# Allegro board PCIe3_0_X16_V1_0-166-20240802_20240828_pcb.brd (continued)
## Routing (per net, layer and track width the routed paths; a pad name or vN(x,y) marks a point on that pad's centre or on a via; arc(x,y) is an arc through that point) (continued)
FPGA_DDR4_2_A5: length 132
  TOP w0.229: U9.P8 v1(146.89,91.67) ; U12.P8 v1(146.89,53.96) ; U10.P8 v1(146.89,79.1) ; U11.P8 v1(146.89,41.38) ; U13.P8 v1(146.89,66.53) ; U1.AK21 v1(119.32,65.23)
  ART05 w0.137: v1(146.89,41.38) 146.49,41.78 146.49,42.49
  ART05 w0.155: v1(119.32,65.23) 118.86,64.77 118.86,45.75 119.9,44.7 120.66,44.7 120.81,44.55 120.81,44.09 121.22,43.69 122.82,43.69 122.98,43.84 122.98,43.99 123.13,44.15 123.44,44.15 123.59,43.99 123.59,43.84 123.75,43.69 124.69,43.69 124.85,43.84 124.85,43.94 125,44.09 125.31,44.09 125.47,43.94 125.47,43.84 125.62,43.69 126.07,43.69 126.3,43.92 126.3,44.5 126.45,44.65 127.47,44.65 127.96,44.16 128.9,44.16 129.22,44.48 132.13,44.48 132.28,44.32 132.28,44.25 132.44,44.09 132.75,44.09 132.9,44.25 132.9,44.32 133.06,44.48 134.02,44.48 134.64,43.86 134.86,43.86 135.34,44.34 135.56,44.34 135.78,44.12 135.78,43.9 135.3,43.42 135.3,43.2 135.77,42.72 136.27,42.72 136.42,42.88 136.42,44.45 136.58,44.6 136.89,44.6 137.04,44.45 137.04,42.88 137.2,42.72 137.51,42.72 137.66,42.88 137.66,43.86 137.82,44.02 138.13,44.02 138.28,43.86 138.28,42.88 138.44,42.72 146.26,42.72 146.49,42.49
  ART10 w0.086: v1(146.89,91.67) 146.89,91.52 147.31,91.11 147.31,90.35 149.67,87.99 149.67,82.8 148.57,81.71 148.09,80.56 148.09,79.71 147.86,79.47 147.48,79.47 147.11,79.1 v1(146.89,79.1) 146.89,78.95 147.31,78.54 147.31,77.77 149.72,75.36 149.72,70.13 148.78,69.19 148.09,67.54 148.09,67.13 147.86,66.9 147.48,66.9 147.11,66.53 v1(146.89,66.53) 146.89,66.38 147.31,65.96 147.31,65.2 149.72,62.79 149.72,57.56 148.78,56.61 148.09,54.97 148.09,54.56 147.86,54.33 147.48,54.33 147.11,53.96 v1(146.89,53.96) 146.89,53.8 147.31,53.39 147.31,52.63 149.72,50.22 149.72,44.98 148.78,44.04 148.09,42.39 148.09,41.99 147.86,41.76 147.48,41.76 147.11,41.38 v1(146.89,41.38)
  BOTTOM w0.127: 148.2,92.99 148.2,92.84 148.16,92.79 148.09,92.63 148.09,92.31 147.86,92.08 147.3,92.08 v1(146.89,91.67)
  BOTTOM w0.201: 148.2,92.99 148.2,93.93 R125.1
FPGA_DDR4_2_A6: length 130.4
  TOP w0.152: v1(146.89,86.07) 148.19,86.07 148.5,85.95 149.08,85.37 149.08,85.09
  TOP w0.201: 149.08,85.09 149.08,84.73 149.68,84.12 150.97,84.12 R126.1
  TOP w0.229: U13.P2 v1(146.89,60.93) ; U12.P2 v1(146.89,48.36) ; v1(146.89,86.07) U9.P2 ; U1.AM19 v1(121.32,62.23) ; U10.P2 v1(146.89,73.5) ; U11.P2 v1(146.89,35.78)
  ART03 w0.137: v1(146.89,35.78) 146.63,35.78 146.49,35.92 146.49,36.95
  ART03 w0.155: v1(121.32,62.23) 121.32,62.2 120.89,61.77 118.22,61.77 117.84,61.39 117.84,61.01 117.59,60.76 117.08,60.76 116.83,60.5 116.83,45.69 116.98,45.53 117.18,45.53 117.33,45.38 117.33,45.07 117.18,44.91 116.98,44.91 116.83,44.76 116.83,44.35 117.61,43.56 117.61,40.21 120.13,37.69 131.46,37.69 132.8,39.04 137.59,39.04 137.74,38.88 137.74,38.69 137.9,38.53 138.21,38.53 138.36,38.69 138.36,38.94 138.52,39.1 141.43,39.1 141.68,38.84 144.83,38.84 146.49,37.18 146.49,36.95
  ART12 w0.086: v1(146.89,86.07) 147.13,86.07 147.56,85.65 147.89,85.65 148.09,85.44 148.09,85.04 148.47,84.12 148.57,84.08 148.71,83.74 148.67,83.64 149.46,81.73 149.46,77.93 146.52,74.98 146.52,74.04 146.89,73.66 v1(146.89,73.5) 147.13,73.5 147.56,73.08 147.89,73.08 148.09,72.87 148.09,72.46 148.47,71.55 148.57,71.51 148.71,71.17 148.67,71.07 149.46,69.15 149.46,65.35 146.52,62.41 146.52,61.54 146.89,61.17 v1(146.89,60.93) 147.13,60.93 147.56,60.5 147.89,60.5 148.09,60.3 148.09,59.89 148.47,58.98 148.57,58.94 148.71,58.6 148.67,58.5 149.46,56.58 149.46,52.81 146.52,49.86 146.52,48.89 146.89,48.52 v1(146.89,48.36) 147.13,48.36 147.56,47.93 147.89,47.93 148.09,47.73 148.09,47.32 148.47,46.4 148.57,46.36 148.71,46.02 148.67,45.93 149.46,44.01 149.46,40.06 149.3,39.66 148.17,38.53 147.78,38.37 146.81,37.41 146.52,36.7 146.52,36.16 v1(146.89,35.78)
FPGA_DDR4_2_A7: length 130.5
  TOP w0.229: U11.R8 v1(147.69,41.38) ; U10.R8 v1(147.69,79.1) ; U13.R8 v1(147.69,66.53) ; U12.R8 v1(147.69,53.96) ; U9.R8 v1(147.69,91.67) ; U1.AL21 v1(120.32,65.23)
  ART05 w0.137: 147.29,42.52 147.29,41.78 v1(147.69,41.38)
  ART05 w0.155: 147.29,42.52 147.29,42.52 146.65,43.16 141.56,43.16 141.41,43.32 141.41,45.11 141.25,45.26 140.94,45.26 140.79,45.11 140.79,43.32 140.63,43.16 140.32,43.16 140.17,43.32 140.17,45.11 140.01,45.26 139.7,45.26 139.55,45.11 139.55,43.32 139.39,43.16 139.08,43.16 138.93,43.32 138.93,44.98 138.77,45.14 138.46,45.14 138.3,44.98 138.3,44.63 138.15,44.48 137.84,44.48 137.68,44.63 137.68,44.98 137.53,45.14 128.95,45.14 128.55,44.73 128,44.73 127.54,45.19 126.36,45.19 125.91,44.73 121.5,44.73 120.51,45.72 119.97,45.72 119.75,45.95 119.75,64.65 v1(120.32,65.23)
  ART10 w0.086: v1(147.69,91.67) 147.69,90.47 150.02,88.14 150.02,82.63 149.17,81.77 148.96,81.26 148.96,80.88 148.87,80.79 148.81,80.79 148.73,80.71 148.73,80.53 148.81,80.45 148.87,80.45 148.96,80.36 148.96,79.68 148.78,79.5 148.37,79.5 147.97,79.1 v1(147.69,79.1) 147.69,77.89 150.1,75.49 150.1,69.52 149.59,69.01 149.34,69.01 148.96,68.63 148.96,67.11 148.78,66.93 148.37,66.93 147.97,66.53 v1(147.69,66.53) 147.69,65.32 150.1,62.92 150.1,56.95 149.59,56.44 149.34,56.44 148.96,56.06 148.96,54.53 148.78,54.36 148.37,54.36 147.97,53.96 v1(147.69,53.96) 147.69,52.75 150.1,50.34 150.1,44.37 149.59,43.87 149.34,43.87 148.96,43.48 148.96,41.96 148.78,41.78 148.37,41.78 147.97,41.38 v1(147.69,41.38)
  BOTTOM w0.127: 148.82,92.12 148.78,92.07 148.33,92.07 147.93,91.67 v1(147.69,91.67)
  BOTTOM w0.201: 148.82,92.12 148.98,92.28 148.98,93.56 R127.1
FPGA_DDR4_2_A8: length 132.5
  TOP w0.229: v1(147.69,86.87) 147.29,86.48 U9.R2 ; v1(147.69,36.58) 147.29,36.18 U11.R2 ; U1.AF20 v1(115.32,63.23) ; U12.R2 v1(147.69,49.16) ; U13.R2 147.29,61.33 v1(147.69,61.73) ; U10.R2 v1(147.69,74.3)
  ART05 w0.137: v1(147.69,36.58) 147.29,36.98 142.68,36.98
  ART05 w0.155: v1(115.32,63.23) 115.32,62.93 114.79,62.41 114.79,62.03 114.5,61.73 114.11,61.73 113.78,61.39 113.78,45.97 114.01,45.75 114.56,45.75 115.02,45.29 115.02,44.78 115.38,43.91 118.91,40.39 121.8,40.39 124.65,37.54 125.15,37.54 125.31,37.7 125.31,38.12 125.46,38.28 125.77,38.28 125.93,38.12 125.93,37.7 126.08,37.54 127.43,37.54 127.59,37.39 127.59,36.89 127.74,36.73 128.05,36.73 128.21,36.89 128.21,37.39 128.36,37.54 128.67,37.54 128.83,37.39 128.83,36.89 128.98,36.73 129.29,36.73 129.45,36.89 129.45,37.39 129.6,37.54 129.91,37.54 130.07,37.39 130.07,36.89 130.22,36.73 130.53,36.73 130.69,36.89 130.69,37.39 130.84,37.54 131.15,37.54 131.31,37.39 131.31,36.89 131.46,36.73 131.8,36.73 131.95,36.89 131.95,37.36 132.11,37.52 132.42,37.52 132.57,37.36 132.57,36.89 132.73,36.73 133.04,36.73 133.19,36.89 133.19,37.36 133.35,37.52 133.66,37.52 133.81,37.36 133.81,36.89 133.97,36.73 134.4,36.73 134.66,37 142.66,37 142.68,36.98
  ART12 w0.086: v1(147.69,86.87) 147.69,86.78 148.07,86.41 148.45,86.41 148.68,86.18 149.23,86.18 149.56,85.84 150.23,82.49 150.23,77.19 148.73,75.69 148.55,75.69 148.07,75.21 148.07,74.73 147.69,74.35 v1(147.69,74.3) 147.69,74.21 148.07,73.84 148.45,73.84 148.68,73.6 149.23,73.6 149.77,73.06 150.23,71.96 150.23,64.82 148.12,62.71 148.12,62.33 147.69,61.91 v1(147.69,61.73) 147.69,61.64 148.07,61.26 148.45,61.26 148.68,61.03 149.23,61.03 149.77,60.49 150.23,59.39 150.23,52.25 148.12,50.14 148.12,49.76 147.69,49.33 v1(147.69,49.16) 147.69,49.07 148.07,48.69 148.45,48.69 148.68,48.46 149.23,48.46 149.77,47.91 150.23,46.81 150.23,39.29 147.69,36.76 v1(147.69,36.58)
  BOTTOM w0.201: v1(147.69,86.87) 148.37,87.55 150.97,87.55 R129.1
FPGA_DDR4_2_A9: length 131.1
  TOP w0.127: U11.R7 147.69,40.58 v1(148.49,40.58) ; v1(148.49,65.73) 147.69,65.73 U13.R7 ; v1(148.49,90.87) 147.69,90.87 U9.R7 ; v1(148.49,53.16) 147.69,53.16 U12.R7 ; U10.R7 147.69,78.3 v1(148.49,78.3)
  TOP w0.201: v1(148.49,90.87) 148.7,90.87 149.45,91.63 149.45,92.9 R130.1
  TOP w0.229: U1.AM22 v1(121.32,66.23)
  ART05 w0.137: 148.09,42.35 148.09,42.32 148.09,42.32 148.09,40.98 v1(148.49,40.58)
  ART05 w0.155: 148.09,42.35 148.09,43.08 146.7,44.48 145.83,44.48 145.68,44.32 145.68,44.05 145.52,43.89 145.21,43.89 145.06,44.05 145.06,44.52 144.9,44.68 144.59,44.68 144.44,44.52 144.44,43.84 144.28,43.69 143.43,43.69 143.28,43.84 143.28,45.08 143.1,45.26 142.81,45.26 142.66,45.11 142.66,43.84 142.5,43.69 142.13,43.69 141.97,43.84 141.97,45.36 141.67,45.67 126.24,45.67 125.78,45.21 124.99,45.21 124.54,45.67 121.17,45.67 120.89,45.95 120.89,65.8 v1(121.32,66.23)
  ART10 w0.086: v1(148.49,90.87) 151.17,88.2 151.17,81.73 150.63,80.44 150.28,80.09 150.16,80.09 150.05,80.2 149.93,80.2 149.81,80.07 149.81,79.95 149.91,79.84 149.91,79.72 v1(148.49,78.3) 150.73,76.06 150.73,68.06 150.67,67.91 150.28,67.51 150.16,67.51 149.96,67.71 149.84,67.71 149.72,67.59 149.72,67.47 149.91,67.27 149.91,67.15 v1(148.49,65.73) 150.73,63.49 150.73,55.48 150.67,55.33 150.28,54.94 150.16,54.94 149.96,55.14 149.84,55.14 149.72,55.02 149.72,54.89 149.91,54.7 149.91,54.58 v1(148.49,53.16) 150.73,50.92 150.73,42.91 150.67,42.76 150.28,42.37 150.16,42.37 149.96,42.56 149.84,42.56 149.72,42.44 149.72,42.32 149.91,42.12 149.91,42 v1(148.49,40.58)
FPGA_DDR4_2_A10: length 136.5
  TOP w0.201: R131.1 149.17,89.18 146.8,89.18 U9.M3
  TOP w0.229: U12.M3 v1(145.29,49.16) ; U1.AF21 v1(115.32,65.23) ; U13.M3 v1(145.29,61.73) ; U11.M3 v1(145.29,36.58) ; U10.M3 v1(145.29,74.3) ; U9.M3 v1(145.29,86.87)
  ART05 w0.137: v1(145.29,36.58) 144.89,36.18 135.19,36.18
  ART05 w0.155: 135.19,36.18 127.14,36.18 127,36.32 127,36.9 126.87,37.03 126.59,37.03 126.45,36.9 126.45,36.32 126.32,36.18 126.04,36.18 125.91,36.32 125.91,36.9 125.77,37.03 125.49,37.03 125.36,36.9 125.36,36.46 125.22,36.32 124.9,36.32 124.55,36.68 124.33,36.68 123.95,36.3 123.73,36.3 123.51,36.52 123.51,36.74 123.89,37.11 123.89,37.33 123.67,37.55 123.45,37.55 123.07,37.18 122.86,37.18 122.64,37.39 122.64,37.61 123.01,37.99 123.01,38.21 122.79,38.43 122.58,38.43 122.2,38.05 121.98,38.05 121.76,38.27 121.76,38.49 122.14,38.87 122.14,39.09 121.38,39.84 118.77,39.84 115.1,43.51 114.67,44.55 114.54,44.68 114.08,44.68 112.89,45.87 112.89,61.52 113.14,61.77 113.52,61.77 113.78,62.03 113.78,62.41 114.16,62.79 114.54,62.79 114.79,63.04 114.79,63.55 115.32,64.08 v1(115.32,65.23)
  ART12 w0.086: v1(145.29,86.87) 145.29,86.64 145.59,86.35 145.69,86.1 145.69,84.59 145.95,84.34 146.07,84.34 146.11,84.38 146.24,84.38 146.36,84.26 146.36,84.14 146.31,84.09 146.31,83.97 148.07,82.22 148.07,78.13 145.29,75.36 v1(145.29,74.3) 145.29,74.07 145.59,73.77 145.69,73.53 145.69,72.02 145.95,71.77 146.07,71.77 146.11,71.81 146.24,71.81 146.36,71.69 146.36,71.56 146.31,71.52 146.31,71.4 148.07,69.65 148.07,65.56 145.29,62.78 v1(145.29,61.73) 145.29,61.5 145.59,61.2 145.69,60.96 145.69,59.45 145.95,59.19 146.07,59.19 146.11,59.24 146.24,59.24 146.36,59.11 146.36,58.99 146.31,58.95 146.31,58.83 148.07,57.07 148.07,52.98 145.29,50.21 v1(145.29,49.16) 145.29,48.93 145.59,48.63 145.69,48.38 145.69,46.87 145.95,46.62 146.07,46.62 146.11,46.66 146.24,46.66 146.36,46.54 146.36,46.42 146.31,46.38 146.31,46.25 148.07,44.5 148.07,40.74 145.29,37.97 v1(145.29,36.58)
FPGA_DDR4_2_A11: length 134.9
  TOP w0.137: v1(149.29,86.87) 148.89,86.47 U9.T2
  TOP w0.201: R132.1 150.89,85.34 150.28,85.34 149.58,86.04 149.58,86.59 v1(149.29,86.87)
  TOP w0.229: U11.T2 148.28,35.99 148.7,35.99 v1(149.29,36.58) ; v1(149.29,74.3) 148.7,73.71 148.28,73.71 U10.T2 ; v1(149.29,49.16) 148.7,48.56 148.28,48.56 U12.T2 ; U1.AG18 v1(116.32,61.23) ; U13.T2 148.28,61.14 148.7,61.14 v1(149.29,61.73)
  ART05 w0.155: v1(116.32,61.23) 116.32,61.01 116.88,60.46 116.88,45.64 117.16,45.36 117.16,44.45 119.64,41.96 123.71,41.96 124,41.67 124,41.45 123.62,41.07 123.62,40.85 123.84,40.63 124.06,40.63 124.44,41.01 124.66,41.01 124.88,40.79 124.88,40.57 124.5,40.2 124.5,39.98 124.72,39.76 125.64,39.76 125.79,39.91 125.79,40.54 125.95,40.69 126.26,40.69 126.41,40.54 126.41,39.91 126.57,39.76 134.41,39.76 134.56,39.6 134.56,39.19 134.71,39.04 135.02,39.04 135.18,39.19 135.18,39.65 135.33,39.8 135.64,39.8 135.8,39.65 135.8,39.19 135.95,39.04 143.5,39.04 143.77,39.32 144.01,39.32 144.17,39.47 144.17,39.95 144.32,40.11 144.63,40.11 144.79,39.95 144.79,39.47 144.94,39.32 145.25,39.32 145.41,39.47 145.41,39.95 145.56,40.11 145.87,40.11 146.03,39.95 146.03,39.47 146.18,39.32 146.49,39.32 146.65,39.47 146.65,39.95 146.8,40.11 147.11,40.11 147.27,39.95 147.27,39.47 147.42,39.32 148.85,39.32 149.29,38.88 v1(149.29,36.58)
  ART12 w0.086: v1(149.29,36.58) 149.57,36.86 149.57,36.98 149.26,37.29 149.26,37.41 149.38,37.53 149.5,37.53 149.81,37.22 149.94,37.22 150.86,38.15 150.86,47.96 149.82,49 149.45,49 v1(149.29,49.16) 149.57,49.43 149.57,49.55 149.26,49.86 149.26,49.99 149.38,50.11 149.5,50.11 149.81,49.8 149.94,49.8 150.86,50.72 150.86,60.53 149.82,61.57 149.45,61.57 v1(149.29,61.73) 149.57,62 149.57,62.13 149.26,62.44 149.26,62.56 149.38,62.68 149.5,62.68 149.81,62.37 149.94,62.37 150.86,63.3 150.86,73.1 149.82,74.14 149.45,74.14 v1(149.29,74.3) 149.57,74.58 149.57,74.7 149.5,74.77 149.5,74.89 149.62,75.01 149.74,75.01 149.81,74.94 149.94,74.94 150.86,75.87 150.86,82.8 151.14,83.08 151.14,86.16 150.79,86.51 149.92,86.51 149.56,86.87 v1(149.29,86.87)
FPGA_DDR4_2_A12: length 134.1
  TOP w0.229: U1.AL18 v1(120.32,61.23) ; U9.M7 v1(145.29,90.87) ; U12.M7 v1(145.29,53.16) ; U13.M7 v1(145.29,65.73) ; U10.M7 v1(145.29,78.3) ; U11.M7 v1(145.29,40.58)
  ART03 w0.155: v1(145.29,40.58) 144.39,39.67 142.48,39.67 142.1,40.06 130.41,40.06 130.26,39.9 130.26,39.45 130.1,39.29 129.79,39.29 129.64,39.45 129.64,39.9 129.48,40.06 129.17,40.06 129.02,39.9 129.02,39.45 128.86,39.29 128.55,39.29 128.4,39.45 128.4,39.9 128.24,40.06 127.93,40.06 127.78,39.9 127.78,39.45 127.62,39.29 127.31,39.29 127.16,39.45 127.16,39.9 127,40.06 126.69,40.06 126.54,39.9 126.54,39.45 126.38,39.29 126.07,39.29 125.92,39.45 125.92,39.9 125.76,40.06 125.45,40.06 125.3,39.9 125.3,39.45 125.15,39.29 124.84,39.29 124.68,39.45 124.68,39.9 124.53,40.06 124.22,40.06 124.06,39.9 124.06,39.45 123.91,39.29 123.6,39.29 123.44,39.45 123.44,39.9 123.29,40.06 122.98,40.06 122.82,39.9 122.82,39.45 122.67,39.29 122.36,39.29 122.2,39.45 122.2,39.9 122.05,40.06 121.74,40.06 121.58,39.9 121.58,39.45 121.43,39.29 121.12,39.29 120.96,39.45 120.96,39.9 120.68,40.18 120.47,40.18 120,39.71 119.78,39.71 119.56,39.93 119.56,40.15 120.03,40.62 120.03,40.84 119.81,41.05 119.59,41.05 119.23,40.69 119.01,40.69 118.79,40.91 118.79,41.13 119.15,41.49 119.15,41.71 118.86,42.01 118.86,42.27 119.01,42.43 119.24,42.43 119.39,42.58 119.39,42.89 119.24,43.05 119.01,43.05 118.86,43.2 118.86,43.51 119.01,43.67 119.24,43.67 119.39,43.82 119.39,44.13 119.24,44.29 119.01,44.29 118.86,44.44 118.86,44.75 119.01,44.91 119.24,44.91 119.39,45.06 119.39,45.37 119.24,45.53 119.01,45.53 118.86,45.68 118.86,60.5 119.11,60.76 119.62,60.76 120.09,61.23 v1(120.32,61.23)
  ART10 w0.086: v1(145.29,40.58) 145.29,40.8 144.89,41.2 144.89,41.51 144.65,41.76 144.34,41.76 144.09,42 144.09,44.74 144.41,45.06 144.41,45.18 144.28,45.31 144.28,45.44 144.4,45.56 144.52,45.56 144.65,45.43 144.78,45.43 144.9,45.55 144.9,45.67 144.77,45.8 144.77,45.92 144.89,46.05 145.01,46.05 145.14,45.91 145.26,45.91 145.69,46.34 145.69,51.45 145.29,51.85 v1(145.29,53.16) 145.29,53.37 144.89,53.77 144.89,54.09 144.65,54.33 144.34,54.33 144.09,54.57 144.09,57.32 144.41,57.63 144.41,57.75 144.28,57.89 144.28,58.01 144.4,58.13 144.52,58.13 144.65,58 144.78,58 144.9,58.12 144.9,58.24 144.77,58.38 144.77,58.5 144.89,58.62 145.01,58.62 145.14,58.49 145.26,58.49 145.69,58.92 145.69,64.02 145.29,64.42 v1(145.29,65.73) 145.29,65.94 144.89,66.34 144.89,66.66 144.65,66.9 144.34,66.9 144.09,67.14 144.09,69.89 144.41,70.21 144.41,70.33 144.28,70.46 144.28,70.58 144.4,70.7 144.52,70.7 144.65,70.57 144.78,70.57 144.9,70.69 144.9,70.82 144.77,70.95 144.77,71.07 144.89,71.19 145.01,71.19 145.14,71.06 145.26,71.06 145.69,71.49 145.69,76.59 145.29,76.99 v1(145.29,78.3) 145.29,78.52 144.89,78.92 144.89,79.23 144.65,79.47 144.34,79.47 144.09,79.72 144.09,82.46 144.41,82.78 144.41,82.9 144.28,83.03 144.28,83.15 144.4,83.28 144.52,83.28 144.65,83.15 144.78,83.15 144.9,83.27 144.9,83.39 144.77,83.52 144.77,83.64 144.89,83.77 145.01,83.77 145.14,83.63 145.26,83.63 145.69,84.06 145.69,89.16 145.29,89.56 v1(145.29,90.87)
  BOTTOM w0.201: v1(145.29,90.87) 145.29,90.43 146.19,89.53 149.52,89.53 R133.1
FPGA_DDR4_2_A13: length 128
  TOP w0.201: v1(148.49,91.67) 148.95,92.13 148.95,93.54 R134.1
  TOP w0.229: U1.AN21 v1(122.32,65.23) ; U10.T8 v1(148.49,79.1) ; U13.T8 v1(148.49,66.53) ; U12.T8 v1(148.49,53.96) ; v1(148.49,91.67) U9.T8 ; U11.T8 v1(148.49,41.38)
  ART05 w0.155: v1(148.49,41.38) 148.96,41.84 148.96,43.96 148.8,44.11 148.26,44.11 148.11,44.27 148.11,44.58 148.26,44.73 148.8,44.73 148.96,44.89 148.96,45.92 148.75,46.13 148.28,46.13 148.12,45.97 148.12,45.42 147.97,45.26 147.66,45.26 147.5,45.42 147.5,45.97 147.35,46.13 147.04,46.13 146.88,45.97 146.88,45.42 146.73,45.26 146.42,45.26 146.26,45.42 146.26,45.97 146.11,46.13 145.7,46.13 145.55,45.97 145.55,45.34 145.39,45.19 145.11,45.19 144.93,45.37 144.93,45.97 144.77,46.13 144.46,46.13 144.31,45.97 144.31,45.57 144.15,45.42 143.84,45.42 143.69,45.57 143.69,46.01 143.47,46.23 129.32,46.23 128.89,46.66 127.26,46.66 126.21,46.22 125.78,45.8 125.02,45.8 124.82,46 124.82,46.41 124.56,46.66 122.03,46.66 121.78,46.92 121.78,64.69 v1(122.32,65.23)
  ART10 w0.086: v1(148.49,41.38) 148.63,41.52 148.9,41.52 149.34,41.96 149.34,42.52 149.63,42.81 149.63,42.93 149.49,43.06 149.49,43.18 149.62,43.31 149.74,43.31 149.87,43.17 149.99,43.17 150.37,43.55 150.37,50.58 148.12,52.83 148.12,53.44 148.49,53.82 v1(148.49,53.96) 148.63,54.09 148.9,54.09 149.34,54.53 149.34,55.09 149.63,55.38 149.63,55.5 149.49,55.64 149.49,55.76 149.62,55.88 149.74,55.88 149.87,55.75 149.99,55.75 150.37,56.13 150.37,63.15 148.12,65.4 148.12,66.02 148.49,66.39 v1(148.49,66.53) 148.63,66.67 148.9,66.67 149.34,67.11 149.34,67.67 149.63,67.95 149.63,68.08 149.49,68.21 149.49,68.33 149.62,68.45 149.74,68.45 149.87,68.32 149.99,68.32 150.37,68.7 150.37,75.73 148.12,77.98 148.12,78.59 148.49,78.96 v1(148.49,79.1) 148.63,79.24 148.9,79.24 149.34,79.68 149.34,80.24 149.63,80.53 149.63,80.65 149.49,80.78 149.49,80.93 149.59,81.03 149.74,81.03 149.87,80.89 149.99,80.89 150.35,81.25 150.35,88.32 148.12,90.55 148.12,91.16 148.49,91.54 v1(148.49,91.67)
FPGA_DDR4_2_ACT_B: length 136.1
  TOP w0.201: R146.1 150.73,91.89 150.73,91.49 148.85,89.61 146.43,89.61 U9.L3
  TOP w0.229: U1.AK19 v1(119.32,62.23) ; U11.L3 v1(144.49,36.58) ; U10.L3 v1(144.49,74.3) ; U9.L3 v1(144.49,86.87) ; U12.L3 v1(144.49,49.16) ; U13.L3 v1(144.49,61.73)
  ART03 w0.137: 141.98,37.13 142.13,36.98 143.24,36.98 143.72,37.47 144.26,37.47 144.49,37.23 v1(144.49,36.58)
  ART03 w0.155: 141.98,37.13 135.64,37.13 134.89,36.83 134.73,36.76 134.58,36.39 134.27,36.26 133.9,36.41 133.58,36.29 133.43,35.92 133.12,35.79 132.75,35.94 131.96,35.61 120.56,35.61 120.41,35.77 120.41,36.01 120.25,36.17 119.94,36.17 119.79,36.01 119.79,35.77 119.63,35.61 119.11,35.61 113.78,40.94 113.78,60.38 114.16,60.76 114.54,60.76 114.79,61.01 114.79,61.39 115.13,61.73 115.51,61.73 115.81,62.03 115.81,62.41 116.19,62.79 118.98,62.79 119.32,62.45 v1(119.32,62.23)
  ART12 w0.086: v1(144.49,86.87) 144.49,86.68 144.89,86.28 144.89,85.84 144.7,85.65 144.34,85.65 144.12,85.43 144.12,84.67 145.24,83.55 145.34,83.55 146.47,82.42 146.47,77.91 144.49,75.94 v1(144.49,74.3) 144.49,74.11 144.89,73.71 144.89,73.27 144.7,73.08 144.34,73.08 144.12,72.86 144.12,72.09 145.24,70.98 145.34,70.98 146.47,69.85 146.47,65.51 144.49,63.53 v1(144.49,61.73) 144.49,61.54 144.89,61.14 144.89,60.7 144.7,60.5 144.34,60.5 144.12,60.28 144.12,59.52 145.24,58.41 145.34,58.41 146.47,57.28 146.47,52.93 144.49,50.96 v1(144.49,49.16) 144.49,48.96 144.89,48.56 144.89,48.12 144.7,47.93 144.34,47.93 144.12,47.71 144.12,46.95 145.24,45.83 145.34,45.83 146.47,44.7 146.47,40.36 144.49,38.39 v1(144.49,36.58)
FPGA_DDR4_2_ALERT_N: length 58.7
  TOP w0.229: U9.P9 v1(146.89,92.47) ; U10.P9 v1(146.89,79.9) ; U13.P9 v1(146.89,67.33) ; U11.P9 v1(146.89,42.18) ; U12.P9 v1(146.89,54.76)
  ART03 w0.086: v1(146.89,92.47) U9.P9 146.49,85.06 147.31,84.25 147.31,80.82 146.89,80.41 v1(146.89,79.9) U10.P9 146.49,72.49 147.31,71.68 147.31,68.25 146.89,67.84 v1(146.89,67.33) U13.P9 146.49,59.92 147.31,59.11 147.31,55.68 146.89,55.27 v1(146.89,54.76) U12.P9 146.49,47.34 147.31,46.53 147.31,42.59 v1(146.89,42.18)
  BOTTOM w0.127: R128.2 146.14,94.13 146.42,93.85 146.42,92.76 146.7,92.47 v1(146.89,92.47)
FPGA_DDR4_2_BA0: length 135
  TOP w0.229: U13.N2 v1(146.09,60.93) ; U10.N2 v1(146.09,73.5) ; U12.N2 v1(146.09,48.36) ; U9.N2 v1(146.09,86.07) ; U11.N2 v1(146.09,35.78) ; U1.AH19 v1(117.32,62.23)
  ART03 w0.137: v1(146.09,35.78) U11.N2 145.69,36.77 145.67,36.8
  ART03 w0.155: v1(117.32,62.23) 117.25,62.15 116.95,62.15 116.57,61.77 116.06,61.77 115.81,61.52 115.81,61.03 115.54,60.76 115.17,60.76 114.79,60.38 114.79,43.42 114.95,43.26 115.35,43.26 115.53,43.08 115.53,42.8 115.37,42.64 114.95,42.64 114.79,42.49 114.79,40.82 118.91,36.7 121.55,36.7 121.71,36.55 121.71,36.32 121.86,36.17 122.17,36.17 122.33,36.32 122.33,36.55 122.48,36.7 122.9,36.7 123.06,36.55 123.06,36.27 123.21,36.12 123.52,36.12 123.67,36.27 123.67,36.55 123.83,36.7 124.14,36.7 124.29,36.55 124.29,36.27 124.45,36.12 124.76,36.12 124.91,36.27 124.91,36.55 125.07,36.7 125.38,36.7 125.53,36.55 125.53,36.27 125.69,36.12 126,36.12 126.15,36.27 126.15,36.55 126.31,36.7 126.62,36.7 126.77,36.55 126.77,36.27 126.93,36.12 127.24,36.12 127.39,36.27 127.39,36.55 127.55,36.7 127.86,36.7 128.01,36.55 128.01,36.27 128.17,36.12 128.48,36.12 128.63,36.27 128.63,36.55 128.79,36.7 129.1,36.7 129.25,36.55 129.25,36.27 129.41,36.12 131.76,36.12 134.48,37.24 135.44,37.64 142.1,37.64 142.43,37.97 144.49,37.97 145.67,36.8
  ART12 w0.086: v1(146.09,35.78) 145.91,35.96 145.72,36.43 145.72,37.58 147.38,39.24 147.69,39.24 148.07,39.62 148.07,39.93 148.3,40.16 148.6,40.16 148.91,40.46 148.91,43.45 148.22,45.11 146.92,46.41 146.49,47.44 146.49,47.73 146.09,48.13 v1(146.09,48.36) 145.91,48.54 145.72,49 145.72,50.16 148.32,52.76 148.63,52.76 148.91,53.04 148.91,56.03 148.22,57.69 146.92,58.98 146.49,60.01 146.49,60.3 146.09,60.7 v1(146.09,60.93) 145.91,61.11 145.72,61.57 145.72,62.73 148.32,65.33 148.63,65.33 148.91,65.61 148.91,68.6 148.22,70.26 146.92,71.56 146.49,72.58 146.49,72.87 146.09,73.27 v1(146.09,73.5) 145.91,73.68 145.72,74.15 145.72,75.3 148.32,77.9 148.63,77.9 148.91,78.18 148.91,81.17 148.22,82.83 146.92,84.13 146.49,85.16 146.49,85.44 146.09,85.84 v1(146.09,86.07)
  BOTTOM w0.127: 146.49,87.15 146.49,87.15 146.49,86.47 v1(146.09,86.07)
  BOTTOM w0.201: R141.1 147.31,88.19 146.49,87.38 146.49,87.15
FPGA_DDR4_2_BA1: length 129.8
  TOP w0.229: U10.N8 v1(146.09,79.1) ; U12.N8 v1(146.09,53.96) ; U1.AR18 v1(124.32,61.23) ; U11.N8 v1(146.09,41.38) ; U9.N8 v1(146.09,91.67) ; U13.N8 v1(146.09,66.53)
  ART03 w0.137: v1(146.09,41.38) 146.09,41.59 145.69,41.99 145.69,42.42 145.71,42.42
  ART03 w0.155: 145.71,42.42 145.88,42.6 145.88,45.06 145.38,45.57 135.27,45.57 134.25,46.58 133.31,46.58 132.98,46.91 132.67,46.91 132.52,46.76 132.52,46.64 132.36,46.48 132.08,46.48 131.9,46.66 131.9,47.29 131.74,47.45 131.43,47.45 131.28,47.29 131.28,46.64 131.12,46.48 130.84,46.48 130.66,46.66 130.66,47.85 130.5,48.01 130.19,48.01 130.04,47.85 130.04,46.64 129.88,46.48 129.6,46.48 129.42,46.66 129.42,48 129.26,48.16 128.95,48.16 128.8,48 128.8,45.82 128.64,45.67 127.77,45.67 127.62,45.82 127.62,47.65 127.46,47.8 127.15,47.8 127,47.65 127,45.82 126.84,45.67 126.53,45.67 126.38,45.82 126.38,47.65 126.22,47.8 125.91,47.8 125.76,47.65 125.76,45.82 125.6,45.67 125.13,45.67 124.88,45.92 124.88,48.49 124.67,48.69 124.12,48.69 123.81,49 123.81,60.72 v1(124.32,61.23)
  ART10 w0.086: v1(146.09,91.67) 146.09,91.43 146.52,91.01 146.52,89.99 148.09,88.42 148.09,83.16 147.71,82.78 147.59,82.78 147.48,82.88 147.36,82.88 147.24,82.76 147.24,82.64 147.34,82.53 147.34,82.41 147.22,82.29 147.1,82.29 146.99,82.39 146.87,82.39 146.75,82.27 146.75,82.15 146.85,82.04 146.85,81.92 146.49,81.56 146.49,79.76 146.09,79.36 v1(146.09,79.1) 146.09,78.86 146.52,78.43 146.52,77.42 148.09,75.84 148.09,70.59 147.71,70.2 147.59,70.2 147.48,70.31 147.36,70.31 147.24,70.19 147.24,70.06 147.34,69.96 147.34,69.84 147.22,69.71 147.1,69.71 146.99,69.82 146.87,69.82 146.75,69.7 146.75,69.58 146.85,69.47 146.85,69.35 146.49,68.99 146.49,67.18 146.09,66.78 v1(146.09,66.53) 146.09,66.29 146.52,65.86 146.52,64.84 148.09,63.27 148.09,58.01 147.71,57.63 147.59,57.63 147.48,57.74 147.36,57.74 147.24,57.61 147.24,57.49 147.34,57.39 147.34,57.26 147.22,57.14 147.1,57.14 146.99,57.25 146.87,57.25 146.75,57.13 146.75,57 146.85,56.9 146.85,56.77 146.49,56.41 146.49,54.61 146.09,54.21 v1(146.09,53.96) 146.09,53.71 146.52,53.29 146.52,52.27 148.09,50.7 148.09,45.44 147.71,45.06 147.59,45.06 147.48,45.16 147.36,45.16 147.24,45.04 147.24,44.92 147.34,44.81 147.34,44.69 147.22,44.57 147.1,44.57 146.99,44.67 146.87,44.67 146.75,44.55 146.75,44.43 146.85,44.32 146.85,44.2 146.49,43.84 146.49,42.04 146.09,41.64 v1(146.09,41.38)
  BOTTOM w0.127: v1(146.09,91.67) 146.23,91.67 146.63,91.27 148.78,91.27
  BOTTOM w0.201: 148.78,91.27 148.79,91.27 149.18,91.67 149.39,91.87 149.39,92.83 R142.1
